# Altium PCB Fastino-DIOT.PCBDOC (part 16 of 22)
Units mm, origin at the board's own origin, x right, y up, seen from the top; angles counter-clockwise.
Board outline 222.63 x 100.1 mm, 8 copper layers (L1, L2, L3, P4, L5, L6, P7, L8), stack 1.563 mm thick; 1030 components, 787 nets, 3312 pads, 2498 vias.
Unrouted connection lines stored in the file: 424.
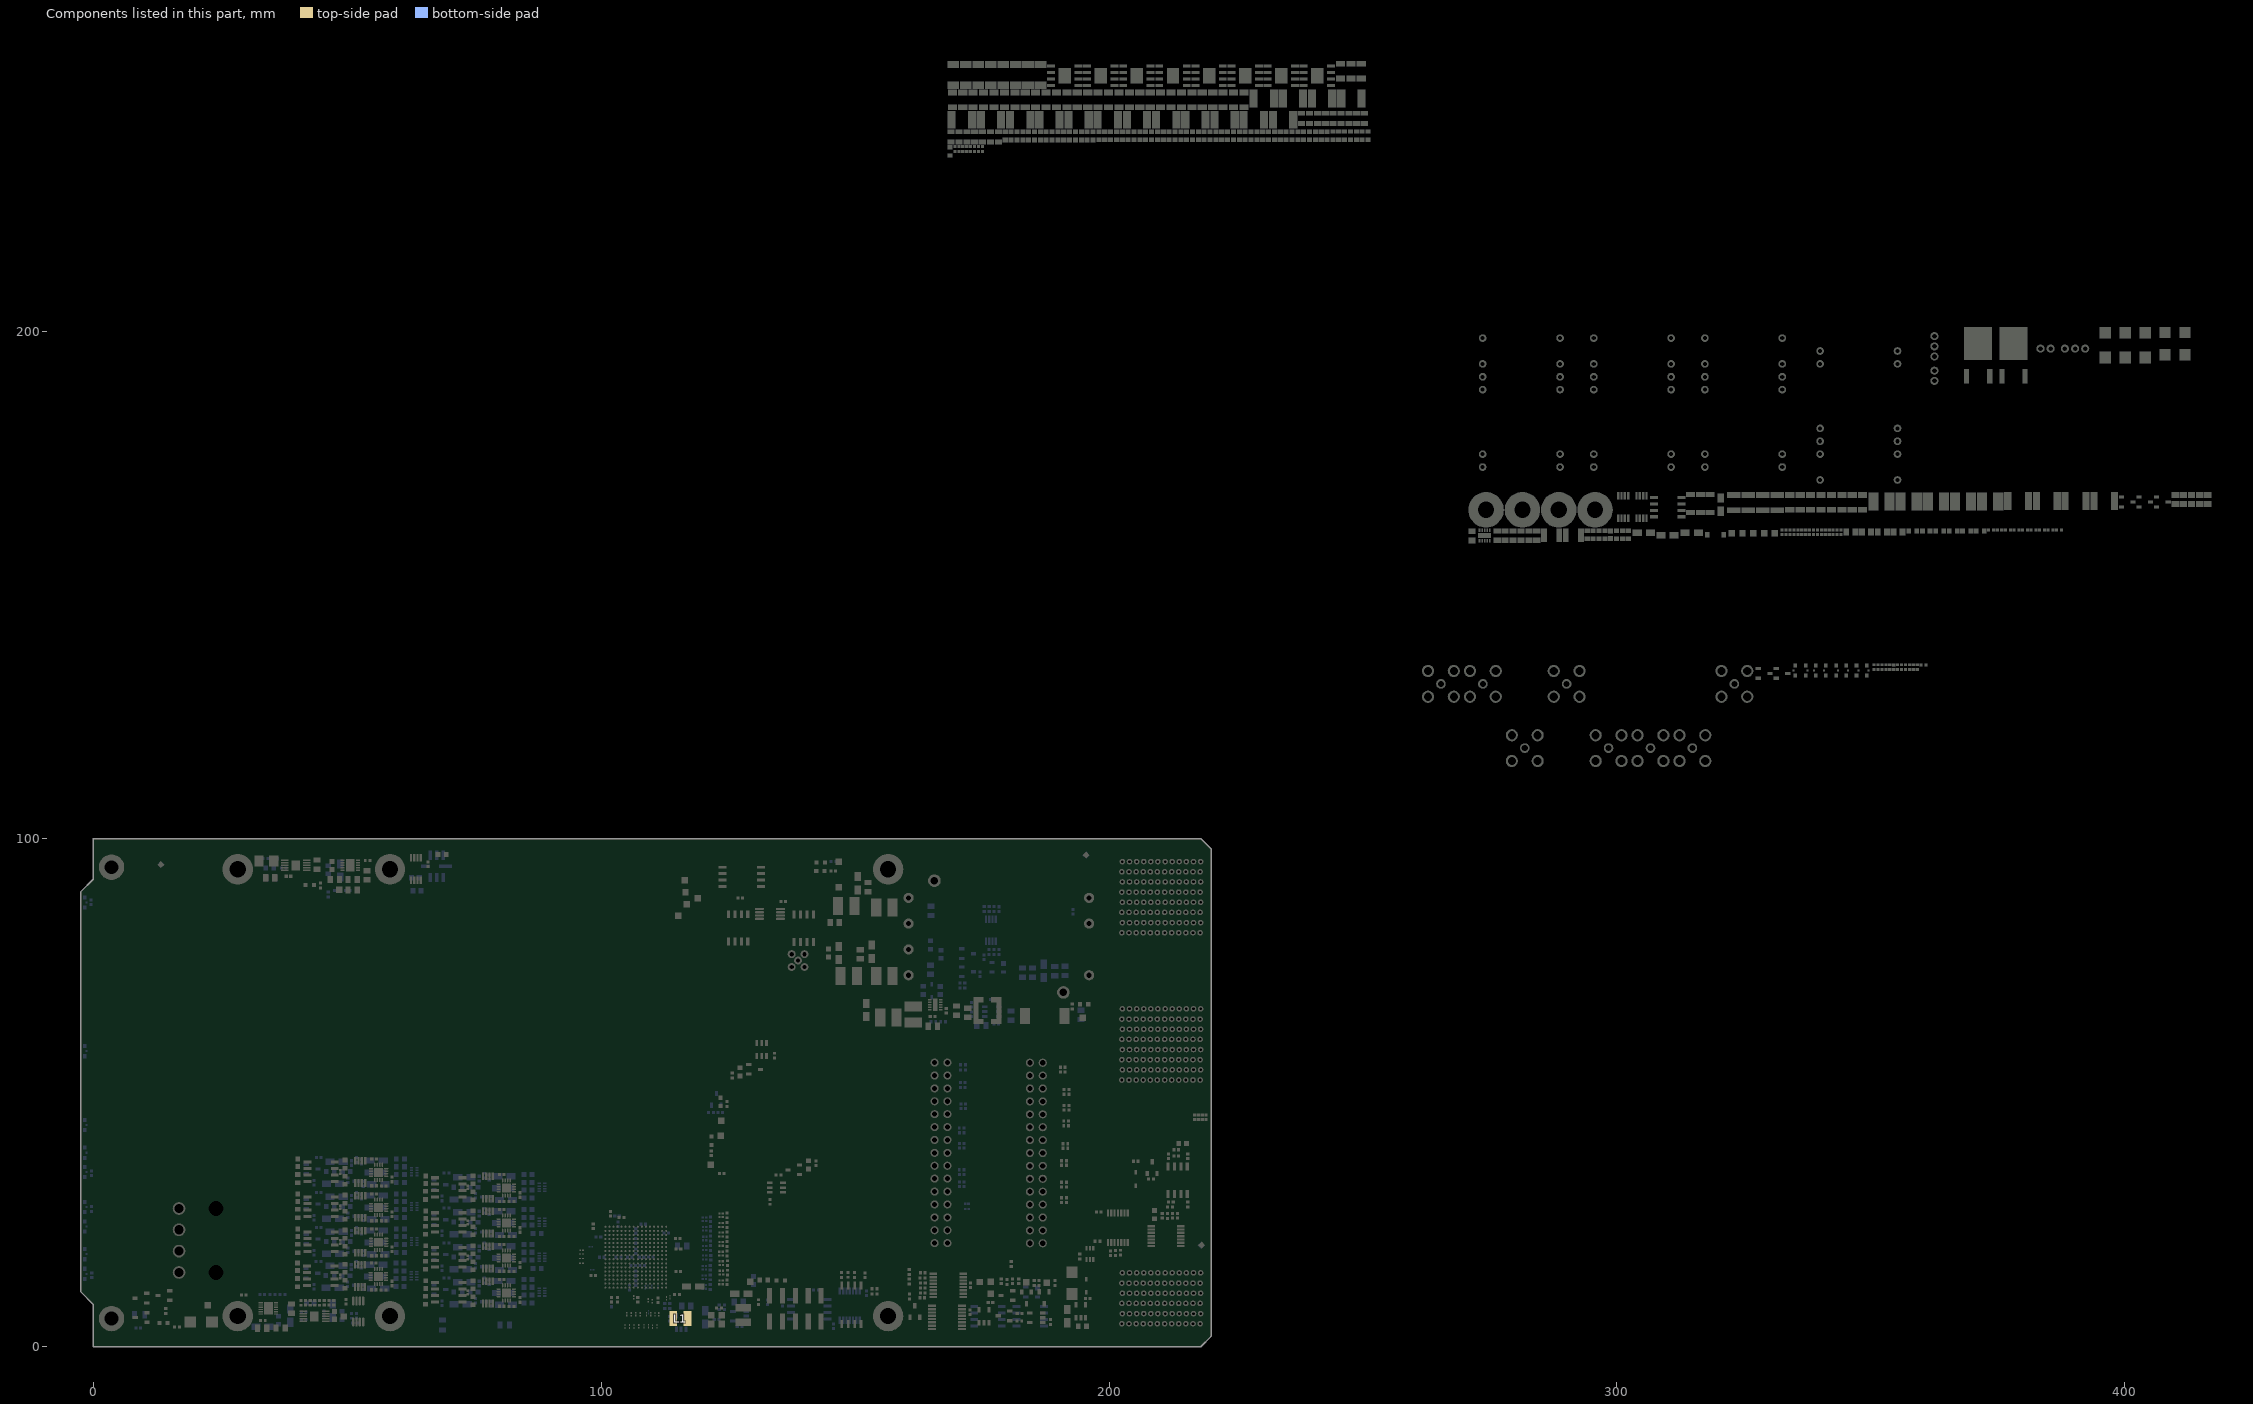
[diagram p22: the components of this part, seen from the top]

## Via types
v1: diameter 0.4, hole 0.2, L1 to L8, tented both sides, 1919 vias
v2: diameter 0.5, hole 0.2, L1 to L8, tented both sides, 270 vias
v3: diameter 0.4, hole 0.2, L1 to L8, 170 vias
v4: diameter 0.7, hole 0.4, L1 to L8, tented both sides, 110 vias
v5: diameter 0.7, hole 0.4, L1 to L8, 29 vias

## Nets (pads, with @x,y where several pads share a name; then routed paths per layer and width w, separated by ;. In a path a pad name is that pad's centre, name@x,y a point inside that pad or via, vN(x,y) a via of type N, cw(c..) or ccw(c..) an arc to the next point about the centre after c; other vN are vias at no path point) (continued)
copper on no net: (continued)
  L1 w0.203: 40.229,40.779 40.229,42.328 41.016,43.116 ; 40.255,47.712 40.255,49.261 41.042,50.048 ; 40.255,54.598 40.255,56.148 41.042,56.935 ; 40.255,61.485 40.255,63.034 41.042,63.821 ; 40.255,68.371 40.255,69.921 41.042,70.708 ; 40.255,75.258 40.255,76.807 41.042,77.595 ; 40.255,82.145 40.255,83.694 41.042,84.481 ; 40.441,42.541 41.025,43.125 41.025,43.634 41.228,43.838 43.158,43.838 44.403,42.593 44.942,42.593 45.663,41.871 45.663,41.745 46.524,40.885 46.524,40.268 46.657,40.134 48.184,40.134 48.59,39.728 48.59,38.561 48.988,38.163 ; 40.467,49.473 41.051,50.057 41.051,50.567 41.254,50.77 43.184,50.77 44.429,49.526 44.968,49.526 45.689,48.804 45.689,48.678 46.55,47.817 46.55,47.2 46.684,47.067 48.21,47.067 48.616,46.66 48.616,45.494 49.014,45.095 ; 40.467,56.36 41.051,56.944 41.051,57.454 41.254,57.657 43.184,57.657 44.429,56.412 44.968,56.412 45.689,55.691 45.689,55.564 46.55,54.704 46.55,54.087 46.684,53.953 48.21,53.953 48.616,53.547 48.616,52.38 49.014,51.982 ; 40.467,63.246 41.051,63.83 41.051,64.34 41.254,64.543 43.184,64.543 44.429,63.299 44.968,63.299 45.689,62.577 45.689,62.451 46.55,61.591 46.55,60.974 46.684,60.84 48.21,60.84 48.616,60.434 48.616,59.267 49.014,58.869 ; 40.467,70.133 41.051,70.717 41.051,71.227 41.254,71.43 43.184,71.43 44.429,70.185 44.968,70.185 45.689,69.464 45.689,69.337 46.55,68.477 46.55,67.86 46.684,67.726 48.21,67.726 48.616,67.32 48.616,66.153 49.014,65.755 ; 40.467,77.019 41.051,77.604 41.051,78.113 41.254,78.317 43.184,78.317 44.429,77.072 44.968,77.072 45.689,76.35 45.689,76.224 46.55,75.364 46.55,74.747 46.684,74.613 48.21,74.613 48.616,74.207 48.616,73.04 49.014,72.642 ; 40.467,83.906 41.051,84.49 41.051,85 41.254,85.203 43.184,85.203 44.429,83.959 44.968,83.959 45.689,83.237 45.689,83.111 46.55,82.25 46.55,81.633 46.684,81.5 48.21,81.5 48.616,81.093 48.616,79.927 49.014,79.528 ; 48.992,38.163 48.988,38.163 ; 49.018,45.095 49.014,45.095 ; 49.018,51.982 49.014,51.982 ; 49.018,58.869 49.014,58.869 ; 49.018,65.755 49.014,65.755 ; 49.018,72.642 49.014,72.642 ; 49.018,79.528 49.014,79.528 ; 49.576,41.721 49.576,42.024 ; 49.602,48.653 49.602,48.956 ; 49.602,55.54 49.602,55.843 ; 49.602,62.426 49.602,62.729 ; 49.602,69.313 49.602,69.616 ; 49.602,76.2 49.602,76.503 ; 49.602,83.086 49.602,83.389 ; 51.506,38.595 51.506,38.529 51.435,38.457 51.369,38.457 51.024,38.112 49.039,38.112 48.988,38.163 ; 51.532,45.527 51.532,45.461 51.461,45.39 51.395,45.39 51.05,45.045 49.065,45.045 49.014,45.095 ; 51.532,52.414 51.532,52.348 51.461,52.276 51.395,52.276 51.05,51.931 49.065,51.931 49.014,51.982 ; 51.532,59.3 51.532,59.235 51.461,59.163 51.395,59.163 51.05,58.818 49.065,58.818 49.014,58.869 ; 51.532,66.187 51.532,66.121 51.461,66.05 51.395,66.05 51.05,65.704 49.065,65.704 49.014,65.755 ; 51.532,73.074 51.532,73.008 51.461,72.936 51.395,72.936 51.05,72.591 49.065,72.591 49.014,72.642 ; 51.532,79.96 51.532,79.894 51.461,79.823 51.395,79.823 51.05,79.478 49.065,79.478 49.014,79.528 ; 51.637,38.7 51.684,38.747 ; 51.663,45.633 51.71,45.68 ; 51.663,52.519 51.71,52.566 ; 51.663,59.406 51.71,59.453 ; 51.663,66.292 51.71,66.339 ; 51.663,73.179 51.71,73.226 ; 51.663,80.066 51.71,80.113 ; v1(54.36,39.951) 54.363,39.951 55.356,38.959 55.356,38.916 55.706,38.565 55.706,38.453 ; 54.38,40.942 54.563,40.942 ; v1(54.386,46.884) 54.389,46.884 55.382,45.892 55.382,45.848 55.732,45.498 55.732,45.385 ; v1(54.386,53.771) 54.389,53.771 55.382,52.778 55.382,52.735 55.732,52.385 55.732,52.272 ; v1(54.386,60.657) 54.389,60.657 55.382,59.665 55.382,59.622 55.732,59.271 55.732,59.159 ; v1(54.386,67.544) 54.389,67.544 55.382,66.551 55.382,66.508 55.732,66.158 55.732,66.045 ; v1(54.386,74.43) 54.389,74.43 55.382,73.438 55.382,73.395 55.732,73.044 55.732,72.932 ; v1(54.386,81.317) 54.389,81.317 55.382,80.325 55.382,80.281 55.732,79.931 55.732,79.818 ; 54.406,47.875 54.589,47.875 ; 54.406,54.761 54.589,54.761 ; 54.406,61.648 54.589,61.648 ; 54.406,68.534 54.589,68.534 ; 54.406,75.421 54.589,75.421 ; 54.406,82.308 54.589,82.308 ; v1(54.995,42.568) 55.032,42.605 55.364,42.605 55.409,42.65 55.409,42.695 ; v1(55.021,49.5) 55.058,49.538 55.39,49.538 55.435,49.583 55.435,49.627 ; v1(55.021,56.387) 55.058,56.424 55.39,56.424 55.435,56.469 55.435,56.514 ; v1(55.021,63.273) 55.058,63.311 55.39,63.311 55.435,63.356 55.435,63.4 ; v1(55.021,70.16) 55.058,70.198 55.39,70.198 55.435,70.242 55.435,70.287 ; v1(55.021,77.047) 55.058,77.084 55.39,77.084 55.435,77.129 55.435,77.174 ; v1(55.021,83.933) 55.058,83.971 55.39,83.971 55.435,84.015 55.435,84.06 ; v1(61.282,3.65) 61.332,3.65 61.551,3.432 64.094,3.432 64.219,3.556 65.457,3.556 65.962,3.051 74.448,3.051 75.681,4.284 75.681,4.879 ; 65.227,37.465 65.43,37.668 65.43,39.002 ; 65.405,58.141 65.43,58.166 65.43,59.662 ; 65.43,45.888 65.43,44.552 65.481,44.501 ; 65.43,52.775 65.43,51.308 65.583,51.156 ; 65.43,64.973 65.43,64.999 65.43,66.548 ; 65.43,73.417 65.43,72.136 65.507,72.06 ; 65.43,80.304 65.43,78.755 65.43,78.715 65.481,78.664 ; 65.456,87.191 65.572,87.074 65.572,85.99 65.684,85.877 ; 65.583,59.766 65.583,59.814 66.159,60.391 66.159,61.069 66.515,61.425 68.309,61.425 69.554,60.18 70.093,60.18 70.814,59.458 70.814,59.332 71.675,58.472 71.675,57.855 71.809,57.721 73.335,57.721 73.741,57.315 73.741,56.148 74.14,55.75 ; 65.583,66.726 65.608,66.726 66.159,67.277 66.159,67.956 66.515,68.311 68.309,68.311 69.554,67.067 70.093,67.067 70.814,66.345 70.814,66.219 71.675,65.359 71.675,64.742 71.809,64.608 73.335,64.608 73.741,64.201 73.741,63.035 74.14,62.637 ; 65.634,39.091 65.634,39.205 66.159,39.731 66.159,40.409 66.515,40.765 68.309,40.765 69.554,39.52 70.093,39.52 70.814,38.799 70.814,38.672 71.675,37.812 71.675,37.195 71.809,37.061 73.335,37.061 73.741,36.655 73.741,35.488 74.14,35.09 ; 65.634,52.883 65.634,52.978 66.159,53.504 66.159,54.182 66.515,54.538 68.309,54.538 69.554,53.293 70.093,53.293 70.814,52.572 70.814,52.446 71.675,51.585 71.675,50.968 71.809,50.834 73.335,50.834 73.741,50.428 73.741,49.262 74.14,48.863 ; 65.634,87.528 65.794,87.528 66.159,87.894 66.159,88.598 66.515,88.954 68.309,88.954 69.554,87.709 70.093,87.709 70.814,86.987 70.814,86.861 71.674,86.001 71.674,85.384 71.808,85.25 73.335,85.25 73.741,84.844 73.741,83.677 74.139,83.279 ; 65.71,46.152 65.71,46.168 66.159,46.617 66.159,47.296 66.515,47.651 68.309,47.651 69.554,46.407 70.093,46.407 70.814,45.685 70.814,45.559 71.675,44.699 71.675,44.082 71.809,43.948 73.335,43.948 73.741,43.542 73.741,42.375 74.14,41.977 ; 65.786,73.736 65.786,73.773 66.159,74.146 66.159,74.825 66.515,75.18 68.309,75.18 69.554,73.936 70.093,73.936 70.814,73.214 70.814,73.088 71.674,72.228 71.674,71.611 71.808,71.477 73.335,71.477 73.741,71.071 73.741,69.904 74.139,69.506 ; 65.811,80.594 66.163,80.946 66.163,81.715 66.515,82.067 68.309,82.067 69.554,80.822 70.093,80.822 70.814,80.101 70.814,79.975 71.674,79.114 71.674,78.497 71.808,78.363 73.335,78.363 73.741,77.957 73.741,76.791 74.139,76.392 ; 66.734,93.029 66.734,94.808 67.468,95.542 68.11,95.542 70.002,95.542 70.024,95.564 70.87,95.564 70.891,95.542 70.913,95.564 71.797,95.564 71.819,95.542 71.844,95.568 72.733,95.568 72.758,95.542 72.784,95.568 73.647,95.568 73.673,95.542 73.698,95.568 74.593,95.568 74.613,95.568 75.196,94.985 75.196,94.799 75.702,94.293 75.773,94.293 75.935,94.455 76.645,94.455 76.693,94.503 v1@75.717,94.503 ; v1(67.85,93.875) 68.1,94.125 68.1,94.592 68.11,94.602 ; 69.075,94.62 69.225,94.47 v1(69.225,93.75) ; 69.281,4.809 69.33,4.76 70.057,4.76 70.409,4.408 v1(70.409,3.505) ; 69.281,5.809 70.186,5.809 70.309,5.686 ; 69.281,6.309 69.33,6.26 70.1,6.26 70.309,6.052 70.309,5.686 ; v1(70.002,93.828) 70.002,94.628 ; v1(70.714,93.523) 70.714,94.391 70.688,94.416 70.891,94.62 ; v1(71.374,93.701) 71.374,93.754 71.61,93.99 71.61,94.439 71.799,94.628 71.819,94.628 ; v1(72.032,93.767) 72.55,94.285 72.55,94.439 72.738,94.628 72.758,94.628 ; v1(73.673,93.904) 73.673,94.628 ; 74.143,35.09 74.14,35.09 ; 74.143,41.977 74.14,41.977 ; 74.143,48.863 74.14,48.863 ; 74.143,55.75 74.14,55.75 ; 74.143,62.637 74.14,62.637 ; 74.142,69.506 74.139,69.506 ; 74.142,76.392 74.139,76.392 ; 74.142,83.279 74.139,83.279 ; 74.593,94.628 74.613,94.628 74.801,94.439 74.801,94.419 75.24,93.98 v1(75.273,93.98) ; 74.727,38.648 74.727,38.951 ; 74.727,45.534 74.727,45.838 ; 74.727,52.421 74.727,52.724 ; 74.727,59.308 74.727,59.611 ; 74.727,66.194 74.727,66.497 ; 74.727,73.063 74.727,73.367 ; 74.727,79.95 74.727,80.253 ; 74.727,86.837 74.727,87.14 ; v1@75.786,94.149 75.905,94.03 76.666,94.03 76.693,94.003 ; 76.657,35.522 76.657,35.456 76.586,35.385 76.52,35.385 76.175,35.039 74.19,35.039 74.14,35.09 ; 76.657,42.409 76.657,42.343 76.586,42.271 76.52,42.271 76.175,41.926 74.19,41.926 74.14,41.977 ; 76.657,49.295 76.657,49.229 76.586,49.158 76.52,49.158 76.175,48.813 74.19,48.813 74.14,48.863 ; 76.657,56.182 76.657,56.116 76.586,56.044 76.52,56.044 76.175,55.699 74.19,55.699 74.14,55.75 ; 76.657,63.068 76.657,63.002 76.586,62.931 76.52,62.931 76.175,62.586 74.19,62.586 74.14,62.637 ; 76.657,69.938 76.657,69.872 76.586,69.8 76.52,69.8 76.174,69.455 74.19,69.455 74.139,69.506 ; 76.657,76.824 76.657,76.758 76.586,76.687 76.52,76.687 76.174,76.342 74.19,76.342 74.139,76.392 ; 76.657,83.711 76.657,83.645 76.586,83.573 76.52,83.573 76.174,83.228 74.19,83.228 74.139,83.279 ; 76.788,35.627 76.835,35.674 ; 76.788,42.514 76.835,42.561 ; 76.788,49.4 76.835,49.448 ; 76.788,56.287 76.835,56.334 ; 76.788,63.174 76.835,63.221 ; 76.788,70.043 76.835,70.09 ; 76.788,76.929 76.835,76.977 ; 76.788,83.816 76.835,83.863 ; v1(79.511,36.879) 79.514,36.879 80.507,35.886 80.507,35.843 80.857,35.493 80.857,35.38 ; v1(79.511,43.765) 79.514,43.765 80.507,42.773 80.507,42.73 80.857,42.379 80.857,42.267 ; v1(79.511,50.654) 79.512,50.654 80.507,49.66 80.507,49.616 80.857,49.266 ; v1(79.511,57.538) 79.514,57.538 80.507,56.546 80.507,56.503 80.857,56.152 80.857,56.04 ; v1(79.511,64.425) 79.514,64.425 80.507,63.433 80.507,63.389 80.857,63.039 80.857,62.926 ; v1(79.511,71.304) 79.514,71.301 79.514,71.294 80.506,70.302 80.506,70.259 80.857,69.908 ; v1(79.511,78.181) 79.514,78.181 80.506,77.188 80.506,77.145 80.857,76.795 80.857,76.682 ; v1(79.511,85.067) 79.514,85.067 80.506,84.075 80.506,84.032 80.857,83.681 80.857,83.569 ; 79.531,37.869 79.714,37.869 ; 79.531,44.756 79.714,44.756 ; 79.531,51.642 79.714,51.642 ; 79.531,58.529 79.714,58.529 ; 79.531,65.416 79.714,65.416 ; 79.531,72.285 79.714,72.285 ; 79.531,79.171 79.714,79.171 ; 79.531,86.058 79.714,86.058 ; v1(80.146,39.495) 80.183,39.533 80.515,39.533 80.56,39.577 80.56,39.622 ; v1(80.146,46.381) 80.183,46.419 80.515,46.419 80.56,46.464 80.56,46.508 ; v1(80.146,53.268) 80.183,53.306 80.515,53.306 80.56,53.35 80.56,53.395 ; v1(80.146,60.155) 80.183,60.192 80.515,60.192 80.56,60.237 80.56,60.282 ; v1(80.146,67.041) 80.183,67.079 80.515,67.079 80.56,67.124 80.56,67.168 ; v1(80.146,73.91) 80.183,73.948 80.515,73.948 80.56,73.993 80.56,74.037 ; v1(80.146,80.797) 80.183,80.835 80.515,80.835 80.56,80.879 80.56,80.924 ; v1(80.146,87.684) 80.183,87.721 80.515,87.721 80.56,87.766 80.56,87.811 ; 80.353,4.879 77.51,4.879 76.596,4.879 75.681,4.879 ; 91.255,32.346 91.255,33.896 92.042,34.683 ; 91.255,39.233 91.255,40.782 92.042,41.569 ; 91.255,46.119 91.255,47.669 92.042,48.456 ; 91.255,53.006 91.255,54.555 92.042,55.343 ; 91.255,59.892 91.255,61.442 92.042,62.229 ; 91.255,66.779 91.255,68.328 92.042,69.116 ; 91.255,73.666 91.255,75.215 92.042,76.002 ; 91.255,80.552 91.255,82.102 92.042,82.889 ; 91.255,87.439 91.255,88.988 92.15,89.883 ; 91.467,34.108 92.051,34.692 92.051,35.201 92.254,35.405 94.184,35.405 95.429,34.16 95.968,34.16 96.689,33.438 96.689,33.312 97.55,32.452 97.55,31.835 97.684,31.701 99.21,31.701 99.616,31.295 99.616,30.128 100.014,29.73 ; 91.467,40.994 92.051,41.578 92.051,42.088 92.254,42.291 94.184,42.291 95.429,41.047 95.968,41.047 96.689,40.325 96.689,40.199 97.55,39.339 97.55,38.722 97.684,38.588 99.21,38.588 99.616,38.181 99.616,37.015 100.014,36.617 ; 91.467,47.881 92.051,48.465 92.051,48.975 92.254,49.178 94.184,49.178 95.429,47.933 95.968,47.933 96.689,47.212 96.689,47.085 97.55,46.225 97.55,45.608 97.684,45.474 99.21,45.474 99.616,45.068 99.616,43.901 100.014,43.503 ; 91.467,54.767 92.051,55.352 92.051,55.861 92.254,56.064 94.184,56.064 95.429,54.82 95.968,54.82 96.689,54.098 96.689,53.972 97.55,53.112 97.55,52.495 97.684,52.361 99.21,52.361 99.616,51.955 99.616,50.788 100.014,50.39 ; 91.467,61.654 92.051,62.238 92.051,62.748 92.254,62.951 94.184,62.951 95.429,61.706 95.968,61.706 96.689,60.985 96.689,60.859 97.55,59.998 97.55,59.381 97.684,59.247 99.21,59.247 99.616,58.841 99.616,57.675 100.014,57.276 ; 91.467,68.541 92.051,69.125 92.051,69.634 92.254,69.838 94.184,69.838 95.429,68.593 95.968,68.593 96.689,67.871 96.689,67.745 97.55,66.885 97.55,66.268 97.684,66.134 99.21,66.134 99.616,65.728 99.616,64.561 100.014,64.163 ; 91.467,75.427 92.051,76.011 92.051,76.521 92.254,76.724 94.184,76.724 95.429,75.48 95.968,75.48 96.689,74.758 96.689,74.632 97.55,73.771 97.55,73.154 97.684,73.021 99.21,73.021 99.616,72.614 99.616,71.448 100.014,71.049 ; 91.467,82.314 92.051,82.898 92.051,83.408 92.254,83.611 94.184,83.611 95.429,82.366 95.968,82.366 96.689,81.645 96.689,81.518 97.55,80.658 97.55,80.041 97.684,79.907 99.21,79.907 99.616,79.501 99.616,78.334 100.014,77.936 ; 91.467,89.2 92.051,89.784 92.051,90.294 92.254,90.497 94.184,90.497 95.429,89.253 95.968,89.253 96.689,88.531 96.689,88.405 97.55,87.545 97.55,86.928 97.684,86.794 99.21,86.794 99.616,86.388 99.616,85.221 100.014,84.823 ; 100.018,29.73 100.014,29.73 ; 100.018,36.617 100.014,36.617 ; 100.018,43.503 100.014,43.503 ; 100.018,50.39 100.014,50.39 ; 100.018,57.276 100.014,57.276 ; 100.018,64.163 100.014,64.163 ; 100.018,71.049 100.014,71.049 ; 100.018,77.936 100.014,77.936 ; 100.018,84.823 100.014,84.823 ; 100.602,33.288 100.602,33.591 ; 100.602,40.174 100.602,40.477 ; 100.602,47.061 100.602,47.364 ; 100.602,53.947 100.602,54.251 ; 100.602,60.834 100.602,61.137 ; 100.602,67.721 100.602,68.024 ; 100.602,74.607 100.602,74.91 ; 100.602,81.494 100.602,81.797 ; 100.602,88.38 100.602,88.683 ; 101.604,94.967 101.624,94.967 101.812,94.779 101.812,94.759 101.988,94.584 101.988,93.712 102.381,93.319 102.642,93.319 v1(103.073,92.888) ; 102.526,94.967 102.515,94.956 102.515,94.191 v1@102.938,93.769 ; 102.532,30.162 102.532,30.096 102.461,30.024 102.395,30.024 102.05,29.679 100.065,29.679 100.014,29.73 ; 102.532,37.048 102.532,36.982 102.461,36.911 102.395,36.911 102.05,36.566 100.065,36.566 100.014,36.617 ; 102.532,43.935 102.532,43.869 102.461,43.798 102.395,43.798 102.05,43.452 100.065,43.452 100.014,43.503 ; 102.532,50.822 102.532,50.756 102.461,50.684 102.395,50.684 102.05,50.339 100.065,50.339 100.014,50.39 ; 102.532,57.708 102.532,57.642 102.461,57.571 102.395,57.571 102.05,57.225 100.065,57.225 100.014,57.276 ; 102.532,64.595 102.532,64.529 102.461,64.457 102.395,64.457 102.05,64.112 100.065,64.112 100.014,64.163 ; 102.532,71.481 102.532,71.415 102.461,71.344 102.395,71.344 102.05,70.999 100.065,70.999 100.014,71.049 ; 102.532,78.368 102.532,78.302 102.461,78.23 102.395,78.23 102.05,77.885 100.065,77.885 100.014,77.936 ; 102.532,85.254 102.532,85.189 102.461,85.117 102.395,85.117 102.05,84.772 100.065,84.772 100.014,84.823 ; 102.663,30.267 102.71,30.314 ; 102.663,37.154 102.71,37.201 ; 102.663,44.04 102.71,44.087 ; 102.663,50.927 102.71,50.974 ; 102.663,57.813 102.71,57.86 ; 102.663,64.7 102.71,64.747 ; 102.663,71.587 102.71,71.634 ; 102.663,78.473 102.71,78.52 ; 102.663,85.36 102.71,85.407 ; v1(102.944,94.368) 102.944,94.422 103.232,94.71 103.232,94.845 103.421,95.033 103.441,95.033 ; 104.457,95.033 104.515,94.975 104.515,94.418 v1(104.521,94.412) ; v1(105.385,94.31) 105.385,95.033 ; v1(105.386,38.405) 105.389,38.405 106.382,37.413 106.382,37.369 106.732,37.019 106.732,36.906 ; v1(105.386,45.292) 105.389,45.292 106.382,44.299 106.382,44.256 106.732,43.906 106.732,43.793 ; v1(105.386,52.179) 105.388,52.179 106.382,51.186 106.382,51.143 106.732,50.792 ; v1(105.386,59.065) 105.389,59.065 106.382,58.072 106.382,58.029 106.732,57.679 106.732,57.566 ; v1(105.386,65.951) 105.389,65.951 106.382,64.959 106.382,64.916 106.732,64.565 106.732,64.453 ; v1(105.386,72.838) 105.389,72.838 106.382,71.846 106.382,71.802 106.732,71.452 106.732,71.339 ; v1(105.386,79.725) 105.389,79.725 106.382,78.732 106.382,78.689 106.732,78.339 106.732,78.226 ; v1(105.386,86.611) 105.389,86.611 106.382,85.619 106.382,85.576 106.732,85.225 106.732,85.113 ; 105.406,32.509 105.589,32.509 ; 105.406,39.396 105.589,39.396 ; 105.406,46.282 105.589,46.282 ; 105.406,53.169 105.589,53.169 ; 105.406,60.055 105.589,60.055 ; 105.406,66.942 105.589,66.942 ; 105.406,73.829 105.589,73.829 ; 105.406,80.715 105.589,80.715 ; 105.406,87.602 105.589,87.602 ; v1(105.415,31.518) 105.415,31.496 106.382,30.53 106.382,30.483 106.732,30.132 ; v1(106.021,34.135) 106.058,34.172 106.39,34.172 106.435,34.217 106.435,34.262 ; v1(106.021,41.021) 106.058,41.059 106.39,41.059 106.435,41.104 106.435,41.148 ; v1(106.021,47.908) 106.058,47.945 106.39,47.945 106.435,47.99 106.435,48.035 ; v1(106.021,54.794) 106.058,54.832 106.39,54.832 106.435,54.877 106.435,54.921 ; v1(106.021,61.681) 106.058,61.719 106.39,61.719 106.435,61.763 106.435,61.808 ; v1(106.021,68.568) 106.058,68.605 106.39,68.605 106.435,68.65 106.435,68.695 ; v1(106.021,75.454) 106.058,75.492 106.39,75.492 106.435,75.537 106.435,75.581 ; v1(106.021,82.341) 106.058,82.378 106.39,82.378 106.435,82.423 106.435,82.468 ; v1(106.021,89.227) 106.058,89.265 106.39,89.265 106.435,89.31 106.435,89.354 ; 70.309,5.686 70.432,5.563 70.432,5.505 71.058,4.879 71.973,4.879 72.887,4.879 73.827,4.879 74.741,4.879 75.681,4.879